# Altium PCB all_circuits.PcbDoc
Units mil, origin at the board's own origin, x right, y up, seen from the top; angles counter-clockwise.
Board outline 3915.03 x 3915.54 mil, 2 copper layers (Top Layer, Bottom Layer); 116 components, 30 nets, 260 pads, 0 vias.
Unrouted connection lines stored in the file: 2.
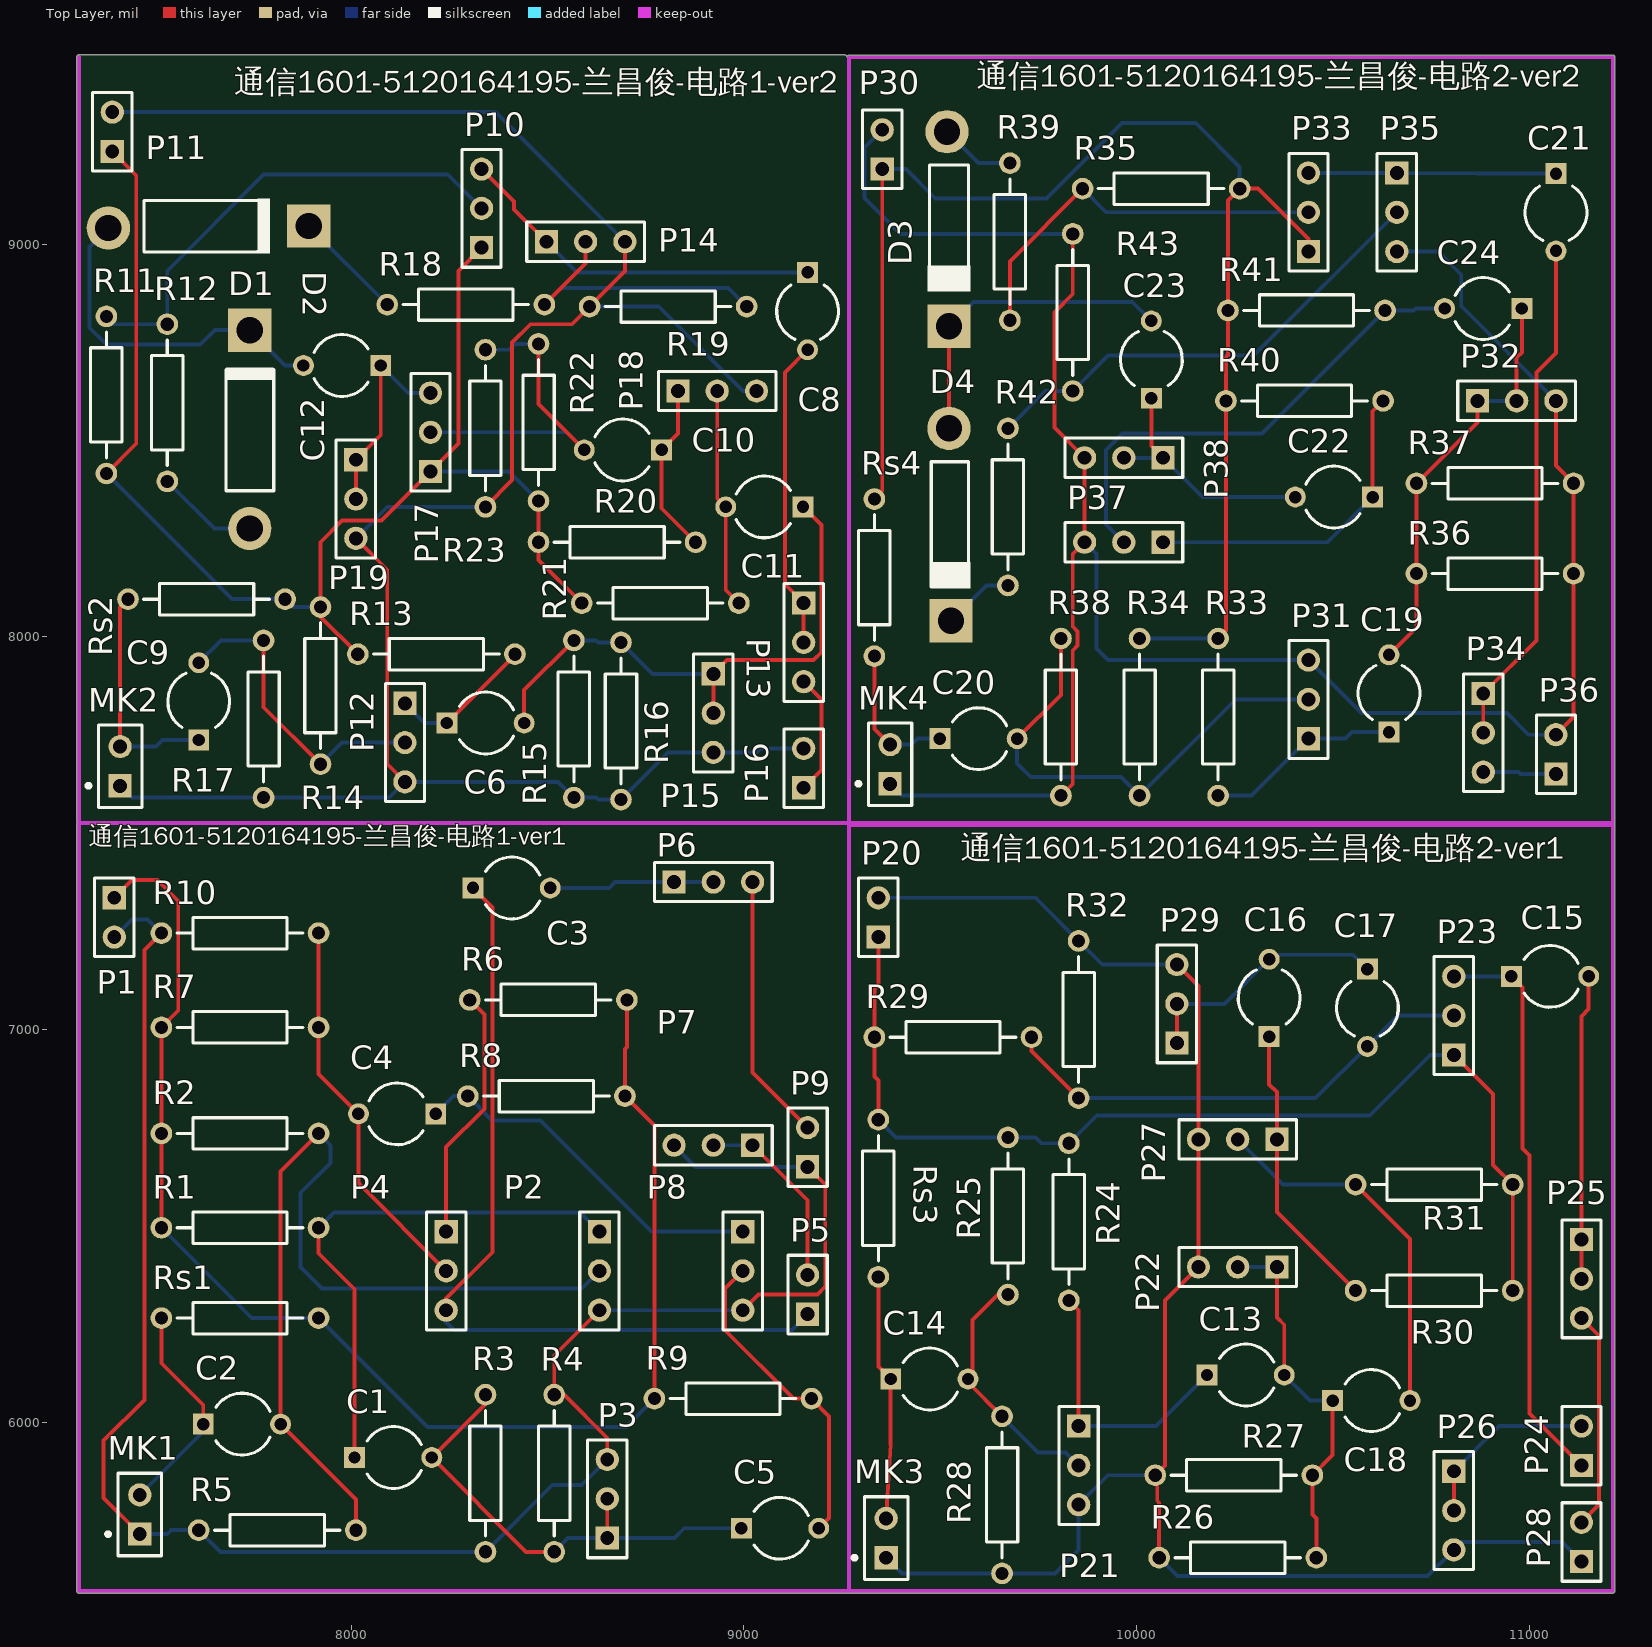
[diagram p0: Top Layer view]
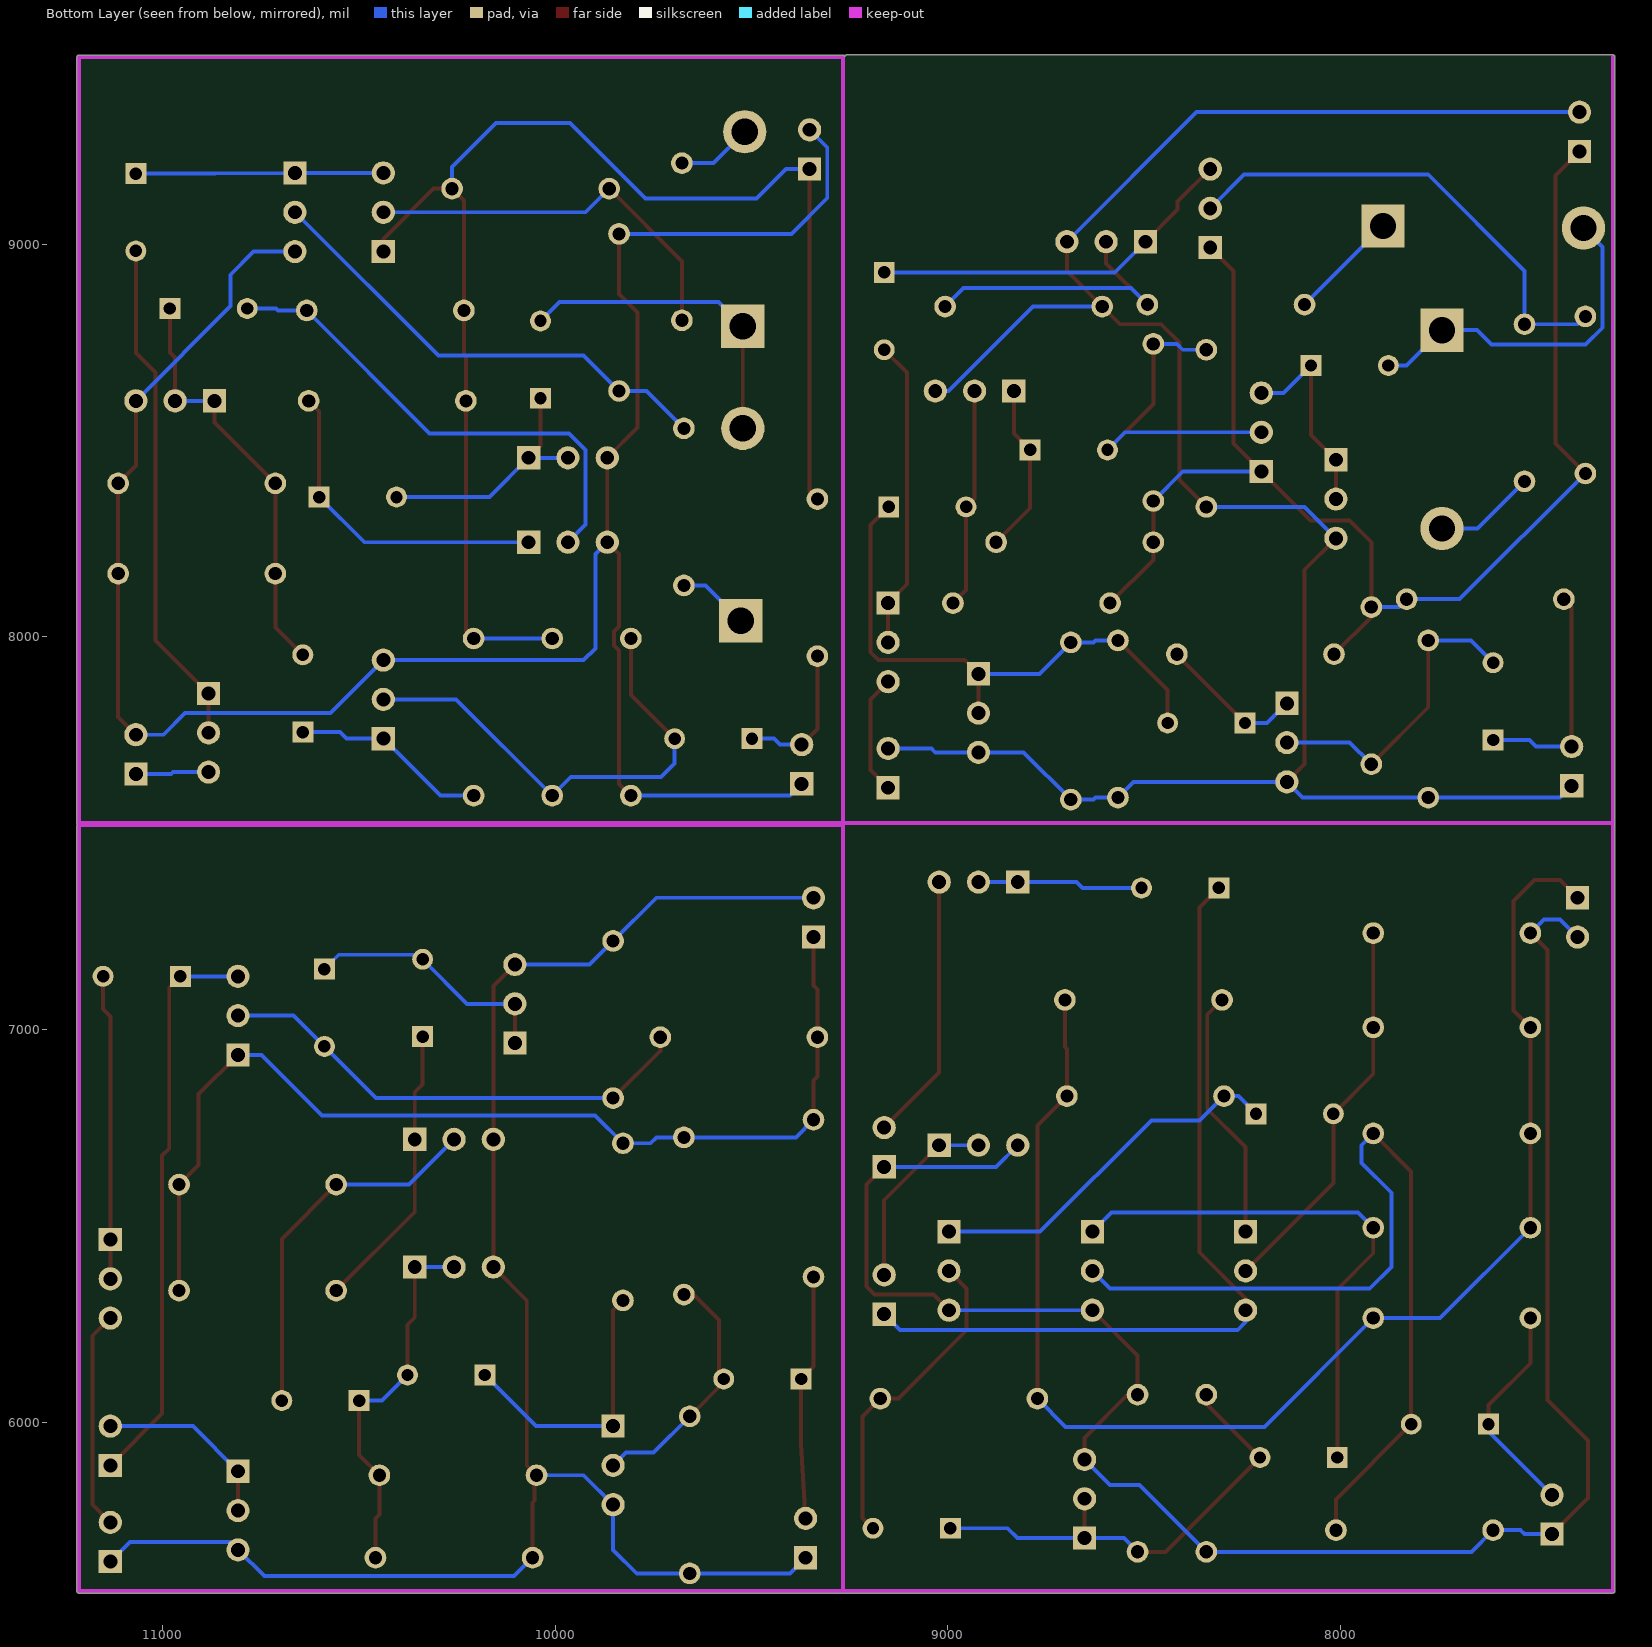
[diagram p1: Bottom Layer view, seen from below]

## Layer stack, top to bottom
Top Solder: solder mask 0.4, Solder Resist, Dk 3.5
Top Layer: signal copper 1.4
Dielectric 1: dielectric 12.6, FR-4, Dk 4.8
Bottom Layer: signal copper 1.4
Bottom Solder: solder mask 0.4, Solder Resist, Dk 3.5

## Board outline
7302.07,5570.87 7302.07,7525.87 cw(c7307.09,7525.87) 7302.74,7528.37 cw(c7307.09,7530.87) 7302.07,7530.87 7302.07,9476.38 cw(c7307.09,9476.38) 7307.09,9481.39 9257.09,9481.39 cw(c9257.09,9476.38) 9262.1,9476.41 cw(c9267.09,9475.87) 9267.09,9480.88 11212.09,9480.88 cw(c11212.09,9475.87) 11217.1,9475.87 11217.1,7525.87 cw(c11212.09,7525.87) 11216.43,7523.37 cw(c11212.09,7520.87) 11217.1,7520.87 11217.1,5570.87 cw(c11212.09,5570.87) 11212.09,5565.85 7307.09,5565.85 cw(c7307.09,5570.87)

## Design rules (kind name [scope] priority, off if disabled: settings)
Clearance [All] p1: gap=10 ignorepadtopadclearanceinfootprint=FALSE except(0: Arc-Hole Track-Hole SMDPad-Hole THPad-Hole Via-Hole Fill-Hole Poly-Hole Region-Hole Text-Hole)
PolygonConnect [All] p1: connectstyle=Relief reliefconductorwidth=10 reliefentries=4 polygonreliefangle="90 Angle" airgapwidth=10
RoomDefinition circuit2_ver2 [InComponentClass('circuit2_ver2')] p1: confinementstyle=ConfineIn formatcopy=TRUE lockcomponents=FALSE outline 9267.09,7525.87 11212.09,7525.87 11212.09,9475.87 9267.09,9475.87
RoomDefinition circuit2_ver1 [InComponentClass('circuit2_ver1')] p2: confinementstyle=ConfineIn formatcopy=TRUE lockcomponents=FALSE outline 9267.09,5570.87 11212.09,5570.87 11212.09,7525.87 9267.09,7525.87
RoomDefinition circuit1_ver2 [InComponentClass('circuit1_ver2')] p3: confinementstyle=ConfineIn formatcopy=TRUE lockcomponents=FALSE outline 7307.09,7525.87 9257.09,7525.87 9257.09,9465.87 7307.09,9465.87
RoomDefinition circuit1_ver1 [InComponentClass('circuit1_ver1')] p4: confinementstyle=ConfineIn formatcopy=TRUE lockcomponents=FALSE outline 7307.09,5570.87 9267.09,5570.87 9267.09,7525.87 7307.09,7525.87
RoutingVias [All] p1: holewidth=28 width=50 viastyle="Through Hole" minholewidth=28 minwidth=50 maxholewidth=28 maxwidth=50
SolderMaskExpansion [All] p1: expansion=4
Width [All] p1: maxlimit=10 minlimit=10 preferedwidth=10
30 further rules are at their usual default settings.

## Components (designator, comment, footprint, x,y, rotation, side; value= is the part's Value field where it differs from the comment)
C1 "Cap2" CAPR5-4X5 8107.09,5910.87 r0 top value=100pF
C2 "Cap2" CAPR5-4X5 7722.09,5995.87 r0 top value=100pF
C3 "Cap2" CAPR5-4X5 8408.66,7360.87 r0 top value=100pF
C4 "Cap2" CAPR5-4X5 8117.09,6785.87 r180 top value=100pF
C5 "Cap2" CAPR5-4X5 9092.09,5730.87 r0 top value=100pF
C6 "Cap2" CAPR5-4X5 8342.09,7780.87 r0 top value=100pF
C8 "Cap2" CAPR5-4X5 9162.09,8829.29 r270 top value=100pF
C9 "Cap2" CAPR5-4X5 7612.09,7835.87 r90 top value=100pF
C10 "Cap2" CAPR5-4X5 8692.09,8475.87 r180 top value=100pF
C11 "Cap2" CAPR5-4X5 9052.09,8330.87 r180 top value=100pF
C12 "Cap2" CAPR5-4X5 7977.09,8690.87 r180 top value=100pF
C13 "Cap2" CAPR5-4X5 10277.09,6120.87 r0 top value=100pF
C14 "Cap2" CAPR5-4X5 9472.09,6110.87 r0 top value=100pF
C15 "Cap2" CAPR5-4X5 11052.09,7135.87 r0 top value=100pF
C16 "Cap2" CAPR5-4X5 10337.09,7080.87 r90 top value=100pF
C17 "Cap2" CAPR5-4X5 10587.09,7055.87 r270 top value=100pF
C18 "Cap2" CAPR5-4X5 10597.09,6055.87 r0 top value=100pF
C19 "Cap2" CAPR5-4X5 10642.09,7855.87 r90 top value=100pF
C20 "Cap2" CAPR5-4X5 9597.09,7740.87 r0 top value=100pF
C21 "Cap2" CAPR5-4X5 11067.09,9080.87 r270 top value=100pF
C22 "Cap2" CAPR5-4X5 10502.09,8355.87 r180 top value=100pF
C23 "Cap2" CAPR5-4X5 10037.09,8705.87 r90 top value=100pF
C24 "Cap2" CAPR5-4X5 10882.09,8835.87 r180 top value=100pF
D1 "Diode 1N5408" DO-201AD#1 7752.09,8560.87 r90 top
D2 "Diode 1N5408" DO-201AD#2 7662.09,9000.87 r0 top
D3 "Diode 1N5408" DO-201AD#3 9507.09,9045.87 r270 top
D4 "Diode 1N5408" DO-201AD#4 9587.09,8315.87 r270 top
MK1 "Mic2" PIN2 7462.09,5715.87 r90 top
MK2 "Mic2" PIN2 7412.09,7620.87 r90 top
MK3 "Mic2" PIN2 9362.09,5655.87 r90 top
MK4 "Mic2" PIN2 9372.09,7625.87 r90 top
P1 "Header 2" HDR1X2 7397.09,7335.87 r270 top
P2 "NPN" HDR1X3 8632.09,6485.87 r270 top
P3 "Res_var" HDR1X3 8652.09,5705.87 r90 top
P4 "NPN" HDR1X3 8242.09,6485.87 r270 top
P5 "Transistor" HDR1X2 9162.09,6275.87 r90 top
P6 "Res_var" HDR1X3 8822.09,7375.87 r0 top
P7 "Res_var" HDR1X3 9022.09,6705.87 r180 top
P8 "NPN" HDR1X3 8997.09,6485.87 r270 top
P9 "speaker2" HDR1X2 9162.09,6650.87 r90 top
P10 "NPN" HDR1X3 8332.09,8990.87 r90 top
P11 "Header 2" HDR1X2 7392.09,9235.87 r90 top
P12 "NPN" HDR1X3 8137.09,7830.87 r270 top
P13 "Res_var" HDR1X3 9152.09,8085.87 r270 top
P14 "PNP" HDR1X3 8497.09,9005.87 r0 top
P15 "Res_var" HDR1X3 8922.09,7905.87 r270 top
P16 "Speaker" HDR1X2 9152.09,7615.87 r90 top
P17 "NPN" HDR1X3 8202.09,8420.87 r90 top
P18 "NPN" HDR1X3 8832.09,8625.87 r0 top
P19 "Res_var" HDR1X3 8012.09,8450.87 r270 top
P20 "Header 2" HDR1X2 9342.09,7235.87 r90 top
P21 "NPN" HDR1X3 9852.09,5990.87 r270 top
P22 "Res_var" HDR1X3 10357.09,6395.87 r180 top
P23 "NPN" HDR1X3 10807.09,6935.87 r90 top
P24 "Transistor" HDR1X2 11132.09,5890.87 r90 top
P25 "Res_var" HDR1X3 11132.09,6465.87 r270 top
P26 "Res_var" HDR1X3 10807.09,5875.87 r270 top
P27 "NPN" HDR1X3 10357.09,6720.87 r180 top
P28 "speaker2" HDR1X2 11132.09,5645.87 r90 top
P29 "Res_var" HDR1X3 10102.09,6965.87 r90 top
P30 "Header 2" HDR1X2 9352.09,9190.87 r90 top
P31 "NPN" HDR1X3 10437.09,7740.87 r90 top
P32 "Res_var" HDR1X3 10867.09,8600.87 r0 top
P33 "NPN" HDR1X3 10437.09,8980.87 r90 top
P34 "Res_var" HDR1X3 10882.09,7855.87 r270 top
P35 "PNP" HDR1X3 10662.09,9180.87 r270 top
P36 "Speaker" HDR1X2 11067.09,7650.87 r90 top
P37 "NPN" HDR1X3 10067.09,8240.87 r180 top
P38 "Res_var" HDR1X3 10067.09,8455.87 r180 top
R1 "Res2" AXIAL-0.4 7717.09,6495.87 r180 top value=1K
R2 "Res2" AXIAL-0.4 7717.09,6735.87 r180 top value=1K
R3 "Res2" AXIAL-0.4 8342.09,5870.87 r90 top value=1K
R4 "Res2" AXIAL-0.4 8517.09,5870.87 r270 top value=1K
R5 "Res2" AXIAL-0.4 7812.09,5725.87 r0 top value=1K
R6 "Res2" AXIAL-0.4 8502.09,7075.87 r0 top value=1K
R7 "Res2" AXIAL-0.4 7717.09,7005.87 r180 top value=1K
R8 "Res2" AXIAL-0.4 8497.09,6830.87 r0 top value=1K
R9 "Res2" AXIAL-0.4 8972.09,6060.87 r180 top value=1K
R10 "Res2" AXIAL-0.4 7717.09,7245.87 r0 top value=1K
R11 "Res2" AXIAL-0.4 7377.09,8615.87 r90 top value=1K
R12 "Res2" AXIAL-0.4 7532.09,8595.87 r90 top value=1K
R13 "Res2" AXIAL-0.4 8217.09,7955.87 r180 top value=1K
R14 "Res2" AXIAL-0.4 7922.09,7875.87 r90 top value=1K
R15 "Res2" AXIAL-0.4 8567.09,7790.87 r90 top value=1K
R16 "Res2" AXIAL-0.4 8687.09,7785.87 r90 top value=1K
R17 "Res2" AXIAL-0.4 7777.09,7790.87 r90 top value=1K
R18 "Res2" AXIAL-0.4 8292.09,8845.87 r180 top value=1K
R19 "Res2" AXIAL-0.4 8807.09,8840.87 r0 top value=1K
R20 "Res2" AXIAL-0.4 8677.09,8240.87 r180 top value=1K
R21 "Res2" AXIAL-0.4 8787.09,8085.87 r180 top value=1K
R22 "Res2" AXIAL-0.4 8477.09,8545.87 r270 top value=1K
R23 "Res2" AXIAL-0.4 8342.09,8530.87 r90 top value=1K
R24 "Res2" AXIAL-0.4 9827.09,6510.87 r90 top value=1K
R25 "Res2" AXIAL-0.4 9672.09,6525.87 r90 top value=1K
R26 "Res2" AXIAL-0.4 10257.09,5655.87 r0 top value=1K
R27 "Res2" AXIAL-0.4 10247.09,5865.87 r0 top value=1K
R28 "Res2" AXIAL-0.4 9657.09,5815.87 r90 top value=1K
R29 "Res2" AXIAL-0.4 9532.09,6980.87 r180 top value=1K
R30 "Res2" AXIAL-0.4 10757.09,6335.87 r0 top value=1K
R31 "Res2" AXIAL-0.4 10757.09,6605.87 r0 top value=1K
R32 "Res2" AXIAL-0.4 9852.09,7025.87 r270 top value=1K
R33 "Res2" AXIAL-0.4 10207.09,7795.87 r90 top value=1K
R34 "Res2" AXIAL-0.4 10007.09,7795.87 r90 top value=1K
R35 "Res2" AXIAL-0.4 10062.09,9140.87 r180 top value=1K
R36 "Res2" AXIAL-0.4 10912.09,8160.87 r180 top value=1K
R37 "Res2" AXIAL-0.4 10912.09,8390.87 r180 top value=1K
R38 "Res2" AXIAL-0.4 9807.09,7795.87 r90 top value=1K
R39 "Res2" AXIAL-0.4 9677.09,9005.87 r270 top value=1K
R40 "Res2" AXIAL-0.4 10427.09,8600.87 r180 top value=1K
R41 "Res2" AXIAL-0.4 10432.09,8830.87 r180 top value=1K
R42 "Res2" AXIAL-0.4 9672.09,8330.87 r270 top value=1K
R43 "Res2" AXIAL-0.4 9837.09,8825.87 r270 top value=1K
Rs1 "Res2" AXIAL-0.4 7717.09,6265.87 r0 top value=1K
Rs2 "Res2" AXIAL-0.4 7632.09,8095.87 r0 top value=1K
Rs3 "Res2" AXIAL-0.4 9342.09,6570.87 r90 top value=1K
Rs4 "Res2" AXIAL-0.4 9332.09,8150.87 r90 top value=1K

## Footprints (in the part's own frame and the unit in brackets; to place one, negate y for a bottom-side part, rotate by r counter-clockwise, add the part's x,y. Pads: shape width x height; smd on the part's side, far side on the other; paste and mask are expansions set on the pad)
AXIAL-0.4 [mm] "Axial Device, Thru-Hole; 2 Leads; 0.4 in Pin Spacing"
  round 1.4 hole 0.85: 1(-5.08,0) 2(5.08,0)
  silkscreen extent -4.06,-1.02 4.06,1.02
CAPR5-4X5 [mm] "Capacitor; 2 Leads"
  rect 1.35x1.35 hole 0.8: 1(-2.5,0)
  round 1.35 hole 0.8: 2(2.5,0)
  silkscreen extent -1.69,-2 1.82,2
DO-201AD#1 [mm] "Diode, Axial; Body 9.5 x 5.6 mm (LxDia. max), Lead Dia. 1.32 mm (max)"
  round 2.8 hole 1.7: 1(-7.239,0.254)
  rect 2.8x2.8 hole 1.7: 2(5.588,0.254)
  silkscreen extent -4.8,-1.3 3.17,1.8
DO-201AD#2 [mm] "Diode, Axial; Body 9.5 x 5.6 mm (LxDia. max), Lead Dia. 1.32 mm (max)"
  round 2.8 hole 1.7: 1(-7.112,1.016)
  rect 2.8x2.8 hole 1.7: 2(5.842,1.143)
  silkscreen extent -4.8,-0.64 3.34,2.92
DO-201AD#3 [mm] "Diode, Axial; Body 9.5 x 5.6 mm (LxDia. max), Lead Dia. 1.32 mm (max)"
  round 2.8 hole 1.7: 1(-6.096,0.254)
  rect 2.8x2.8 hole 1.7: 2(6.477,0.381)
  silkscreen extent -3.94,-1.02 4.23,1.78
DO-201AD#4 [mm] "Diode, Axial; Body 9.5 x 5.6 mm (LxDia. max), Lead Dia. 1.32 mm (max)"
  round 2.8 hole 1.7: 1(-5.461,-1.651)
  rect 2.8x2.8 hole 1.7: 2(6.985,-1.524)
  silkscreen extent -3.3,-2.8 4.9,-0.25
HDR1X2 [mm] "Connector; Header; 2 Position"
  rect 1.5x1.5 hole 0.9: 1(0,0)
  round 1.5 hole 0.9: 2(2.54,0)
  silkscreen extent -1.27,-1.27 3.81,1.27
HDR1X3 [mm] "Connector; Header; 3 Position"
  rect 1.5x1.5 hole 0.9: 1(0,0)
  round 1.5 hole 0.9: 2(2.54,0) 3(5.08,0)
  silkscreen extent -1.27,-1.27 6.35,1.27
PIN2 [mm] "Photosensitive Diode; 2 Leads"
  rect 1.5x1.5 hole 0.9: 1(0,0)
  round 1.5 hole 0.9: 2(2.54,0)
  silkscreen extent -1.4,-1.4 3.94,2.17

## Part data
C1 C2 C3 C4 C5 C6 C8 C9 C10 C11 C12 C13 C14 C15 C16 C17 C18 C19 C20 C21 C22 C23 C24: "Capacitor", PackageDescription="Capacitor; 2 Leads", PackageReference=CAPR5-4X5, Published=23-Sep-2002, Publisher="Altium Limited"
D1 D2 D3 D4: "3 Amp Medium Power Silicon Rectifier Diode", ComponentLink1Description="Manufacturer Link", ComponentLink1URL=http://www.irf.com/, DatasheetVersion=Aug-1984, LatestRevisionDate=17-Jul-2002, LatestRevisionNote="Re-released for DXP Platform.", PackageDescription="Diode, Axial; Body 9.5 x 5.3 mm (LxDia. max), Lead Dia. 1.32 mm (max)", PackageReference=DO-201AD, Published=8-Jun-2000, Publisher="Altium Limited"
MK1 MK2 MK3 MK4: "Microphone", LatestRevisionDate=17-Jul-2002, LatestRevisionNote="Re-released for DXP Platform.", PackageReference=PIN2, Published=24-Mar-1999, Publisher="Altium Limited"
P1 P11 P20 P30: "Header, 2-Pin", LatestRevisionDate=17-Jul-2002, LatestRevisionNote="Re-released for DXP Platform.", Publisher="Altium Limited"
P2 P3 P4 P6 P7 P8 P10 P12 P13 P14 P15 P17 P18 P19 P21 P22 P23 P25 P26 P27 P29 P31 P32 P33 P34 P35 P37 P38: library part "Header 3", "Header, 3-Pin", LatestRevisionDate=17-Jul-2002, LatestRevisionNote="Re-released for DXP Platform.", Publisher="Altium Limited"
P5 P9 P16 P24 P28 P36: library part "Header 2", "Header, 2-Pin", LatestRevisionDate=17-Jul-2002, LatestRevisionNote="Re-released for DXP Platform.", Publisher="Altium Limited"
R1 R2 R3 R4 R5 R6 R7 R8 R9 R10 R11 R12 R13 R14 R15 R16 R17 R18 R19 R20 R21 R22 R23 R24 R25 R26 R27 R28 R29 R30 R31 R32 R33 R34 R35 R36 R37 R38 R39 R40 R41 R42 R43 Rs1 Rs2 Rs3 Rs4: "Resistor", LatestRevisionDate=17-Jul-2002, LatestRevisionNote="Re-released for DXP Platform.", PackageDescription="Axial Device, Thru-Hole; 2 Leads; 0.4 in Pin Spacing", PackageReference=AXIAL-0.4, Published=8-Jun-2000, Publisher="Altium Limited"

## Nets (pads, with @x,y where several pads share a name; then routed paths per layer and width w, separated by ;. In a path a pad name is that pad's centre, name@x,y a point inside that pad or via, vN(x,y) a via of type N, cw(c..) or ccw(c..) an arc to the next point about the centre after c; other vN are vias at no path point)
GND: MK1.1 MK2.1 P1.2 P2.3 P3.3 P7.3 P8.3 P9.1 P11.2 P12.3 P14.3 P15.3 P16.2 P18.3 P19.3 R3.1 R4.1 R5.1 R10.1 R15.1 R16.1 R17.1 R19.1 R23.1 | length 10596.6
  Top Layer w10: MK1.1 7370.09,5807.87 7370.09,5953.87 7474.09,6057.87 7474.09,7202.87 R10.1 ; P19.3 8092.09,8170.87 8092.09,7675.87 P12.3 ; R23.1 8410.09,8398.87 8410.09,8748.87 8457.09,8795.87 8562.09,8795.87 R19.1 8697.09,8930.87 P14.3 ; P2.3 8517.09,6170.87 R4.1 8542.09,6070.87 8652.09,5960.87 P3.3 ; P8.3 9037.09,6325.87 9187.09,6325.87 9207.09,6345.87 9207.09,6605.87 P9.1
  Bottom Layer w10: P11.2 8367.09,9335.87 P14.3 ; P1.2 7442.09,7280.87 7482.09,7280.87 R10.1 ; MK2.1 7442.09,7590.87 R17.1 8097.09,7590.87 P12.3 8527.09,7630.87 R15.1 8624.09,7590.87 8629.09,7585.87 R16.1 8807.09,7705.87 P15.3 9032.09,7705.87 9042.09,7715.87 P16.2 ; MK1.1 7532.09,5715.87 7542.09,5725.87 R5.1 7667.09,5670.87 R3.1 8512.09,5840.87 8587.09,5840.87 P3.3 ; P19.3 8092.09,8330.87 R23.1 ; R19.1 8783.09,8840.87 8998.09,8625.87 P18.3 ; P2.3 P8.3 ; P7.3 8877.09,6650.87 P9.1
mic1_input: C9.1 MK2.2 Rs2.1 | length 590.1
  Top Layer w10: MK2.2 7412.09,8075.87 Rs2.1
  Bottom Layer w10: MK2.2 7503.09,7720.87 7519.66,7737.44 C9.1
mic_input: C2.1 MK1.2 Rs1.1 | length 561.1
  Top Layer w10: Rs1.1 7517.09,6150.87 7623.66,6044.29 C2.1
  Bottom Layer w10: MK1.2 7623.66,5977.44 C2.1
mid1_out0: C12.2 D1.2 D2.1 | length 888.9
  Bottom Layer w10: D2.1 7334.09,8992.87 7334.09,8786.87 7377.09,8743.87 7616.09,8743.87 7653.09,8780.87 D1.2 7832.09,8690.87 C12.2
mid1_out1: P1.1 P10.1 P11.1 P17.1 R1.2 R2.2 R6.2 R7.2 R8.2 R9.2 R11.1 R13.2 R14.2 R20.2 R21.2 R22.2 Rs1.2 Rs2.2 | length 7073.3
  Top Layer w10: R11.1 7453.09,8491.87 7453.09,9174.87 P11.1 ; P1.1 7442.09,7380.87 7507.09,7380.87 7560.09,7327.87 7560.09,7048.87 R7.2 R2.2 R1.2 ; R13.2 7922.09,8050.87 R14.2 7922.09,8240.87 7977.09,8295.87 8077.09,8295.87 P17.1 8273.09,8491.87 8273.09,8931.87 P10.1 ; R22.2 R20.2 8477.09,8195.87 R21.2 ; R6.2 8702.09,6955.87 8697.09,6950.87 R8.2 8772.09,6755.87 R9.2
  Bottom Layer w10: R11.1 7697.09,8095.87 Rs2.2 7852.09,8075.87 R14.2 ; R1.2 7747.09,6265.87 Rs1.2 8194.09,5988.87 8700.09,5988.87 R9.2 ; P17.1 8402.09,8420.87 R22.2
mid1_out2: C10.2 P17.2 R22.1 R23.2 | length 869.7
  Top Layer w10: R22.1 8477.09,8592.44 C10.2
  Bottom Layer w10: P17.2 8548.66,8520.87 C10.2 ; R23.2 8402.09,8730.87 8417.09,8745.87 R22.1
mid_out2: C4.2 P4.2 R7.1 R10.2 | length 994.6
  Top Layer w10: R10.2 R7.1 7917.09,6887.44 C4.2 8018.66,6609.29 P4.2
NetC1_1: C1.1 P2.1 R1.1 | length 1374.4
  Top Layer w10: R1.1 7917.09,6430.87 8008.66,6339.29 C1.1
  Bottom Layer w10: R1.1 7956.09,6534.87 8583.09,6534.87 P2.1
NetC2_2: C2.2 P2.2 R2.1 R5.2 | length 2315.7
  Top Layer w10: R2.1 7820.51,6639.29 C2.2 8012.09,5804.29 R5.2
  Bottom Layer w10: R2.1 7947.09,6705.87 7947.09,6660.87 7871.09,6584.87 7871.09,6395.87 7926.09,6340.87 8587.09,6340.87 P2.2
NetC3_1: C3.1 P4.3 P5.1 | length 2119
  Top Layer w10: P4.3 8242.09,6315.87 8359.65,6433.43 8359.65,7311.45 C3.1
  Bottom Layer w10: P4.3 8242.09,6255.87 8262.09,6235.87 9122.09,6235.87 P5.1
NetC3_2: C3.2 P6.1 P6.2 | length 421.2
  Bottom Layer w10: C3.2 8657.09,7360.87 8672.09,7375.87 P6.1 P6.2
NetC4_1: C4.1 P8.1 R8.1 | length 943.1
  Bottom Layer w10: C4.1 8260.51,6830.87 R8.1 8359.09,6768.87 8482.09,6768.87 8765.09,6485.87 P8.1
NetC5_2: C5.2 P8.2 R9.1 | length 821.4
  Top Layer w10: P8.2 8952.09,6340.87 8952.09,6234.87 9126.09,6060.87 R9.1 9217.09,6015.87 9217.09,5757.44 C5.2
NetC6_1: C6.1 P12.1 R13.1 | length 374.1
  Top Layer w10: C6.1 8417.09,7954.29 R13.1
  Bottom Layer w10: P12.1 8187.09,7780.87 C6.1
NetC8_1: C8.1 P10.3 P14.1 | length 950.7
  Top Layer w10: P10.3 8415.09,9107.87 8415.09,9087.87 P14.1
  Bottom Layer w10: P14.1 8575.24,8927.72 C8.1
NetC8_2: C8.2 P13.1 P13.2 | length 788.9
  Top Layer w10: P13.2 P13.1 9104.09,8133.87 9104.09,8672.87 C8.2
NetC9_2: C9.2 P12.2 R14.1 R17.2 | length 801.3
  Top Layer w10: R17.2 7777.09,7820.87 R14.1
  Bottom Layer w10: C9.2 7668.66,7990.87 R17.2 ; R14.1 7977.09,7730.87 P12.2
NetC10_1: C10.1 P18.1 R20.1 | length 438.1
  Top Layer w10: P18.1 8832.09,8517.44 C10.1 8790.51,8327.44 R20.1
NetC11_2: C11.2 P18.2 R21.1 | length 562.8
  Top Layer w10: P18.2 8932.09,8352.44 C11.2 8953.66,8119.29 R21.1
NetC12_1: C12.1 P17.3 P19.1 P19.2 | length 521.8
  Top Layer w10: P19.2 P19.1 8075.51,8514.29 C12.1
  Bottom Layer w10: C12.1 8145.51,8620.87 P17.3
NetD1_1: D1.1 R12.1 | length 259.7
  Bottom Layer w10: R12.1 7652.09,8275.87 D1.1
NetD2_2: D2.2 R18.2 | length 282.8
  Bottom Layer w10: D2.2 R18.2
NetP4_1: P4.1 R6.1 | length 646
  Top Layer w10: P4.1 8242.09,6700.87 8339.65,6798.43 8339.65,7038.31 R6.1
NetP5_2: P5.2 P7.1 P7.2 | length 488
  Top Layer w10: P7.1 9162.09,6565.87 P5.2
  Bottom Layer w10: P7.2 P7.1
NetP6_3: P6.3 P9.2 | length 683
  Top Layer w10: P6.3 9022.09,6890.87 P9.2
NetP10_2: P10.2 R11.2 R12.2 | length 1236.4
  Bottom Layer w10: R11.2 7397.09,8795.87 R12.2 7532.09,8931.87 7777.09,9176.87 8246.09,9176.87 P10.2
NetP13_3: P13.3 P16.1 | length 307.3
  Top Layer w10: P16.1 9197.09,7660.87 9197.09,7840.87 P13.3
NetP14_2: P14.2 R18.1 R19.2 | length 755.4
  Top Layer w10: R18.1 8597.09,8950.87 P14.2
  Bottom Layer w10: R18.1 8534.09,8887.87 8960.09,8887.87 R19.2
reverse1_out: C6.2 C11.1 P15.1 P15.2 R15.2 R16.2 | length 1439.7
  Top Layer w10: C6.2 8440.51,7864.29 R15.2 ; P15.2 P15.1 8957.09,7940.87 9177.09,7940.87 9197.09,7960.87 9197.09,8284.29 C11.1
  Bottom Layer w10: R15.2 8624.09,7990.87 8629.09,7985.87 R16.2 8767.09,7905.87 P15.1
reverse_out: C1.2 C5.1 P3.1 P3.2 R3.2 R4.2 | length 1229
  Top Layer w10: R3.2 8342.09,6047.44 C1.2 8445.51,5670.87 R4.2 ; P3.1 P3.2
  Bottom Layer w10: R4.2 8552.09,5705.87 P3.1 8823.09,5705.87 8848.09,5730.87 C5.1
pads on no net: C13.1 C13.2 C14.1 C14.2 C15.1 C15.2 C16.1 C16.2 C17.1 C17.2 C18.1 C18.2 C19.1 C19.2 C20.1 C20.2 C21.1 C21.2 C22.1 C22.2 C23.1 C23.2 C24.1 C24.2 D3.1 D3.2 D4.1 D4.2 MK3.1 MK3.2 MK4.1 MK4.2 P20.1 P20.2 P21.1 P21.2 P21.3 P22.1 P22.2 P22.3 P23.1 P23.2 P23.3 P24.1 P24.2 P25.1 P25.2 P25.3 P26.1 P26.2 P26.3 P27.1 P27.2 P27.3 P28.1 P28.2 P29.1 P29.2 P29.3 P30.1 P30.2 P31.1 P31.2 P31.3 P32.1 P32.2 P32.3 P33.1 P33.2 P33.3 P34.1 P34.2 P34.3 P35.1 P35.2 P35.3 P36.1 P36.2 P37.1 P37.2 P37.3 P38.1 P38.2 P38.3 R24.1 R24.2 R25.1 R25.2 R26.1 R26.2 R27.1 R27.2 R28.1 R28.2 R29.1 R29.2 R30.1 R30.2 R31.1 R31.2 R32.1 R32.2 R33.1 R33.2 R34.1 R34.2 R35.1 R35.2 R36.1 R36.2 R37.1 R37.2 R38.1 R38.2 R39.1 R39.2 R40.1 R40.2 R41.1 R41.2 R42.1 R42.2 R43.1 R43.2 Rs3.1 Rs3.2 Rs4.1 Rs4.2
copper on no net: | length 37816
  Top Layer w10: 9332.09,7950.87 9332.09,7765.87 9372.09,7725.87 ; 9332.09,8350.87 9352.09,8370.87 9352.09,9190.87 ; 9342.09,6370.87 9342.09,6142.44 9373.66,6110.87 9373.66,5944.44 9362.09,5755.87 ; 9342.09,6770.87 9342.09,6870.87 9332.09,6880.87 9332.09,6980.87 9332.09,7102.87 9342.09,7112.87 9342.09,7235.87 ; 9522.09,8530.87 9522.09,8790.87 ; 9657.09,6015.87 9570.51,6102.44 9570.51,6110.87 9582.09,6122.44 9582.09,6260.87 9647.09,6325.87 9672.09,6325.87 ; 9677.09,8805.87 9677.09,8955.87 9862.09,9140.87 ; 9695.51,7740.87 9807.09,7852.44 9807.09,7995.87 ; 9732.09,6980.87 9732.09,6945.87 9852.09,6825.87 ; 9807.09,7595.87 9837.09,7625.87 9837.09,7965.68 9849.65,7978.24 9849.65,8013.49 9837.09,8026.05 9837.09,8210.87 9867.09,8240.87 9867.09,8455.87 9790.09,8532.87 9790.09,8825.87 9837.09,8872.87 9837.09,9025.87 ; 9827.09,6310.87 9852.09,6285.87 9852.09,5990.87 ; 10037.09,8607.44 10037.09,8485.87 10067.09,8455.87 ; 10057.09,5655.87 10057.09,5795.87 10052.09,5800.87 10052.09,5860.87 10047.09,5865.87 10072.09,5890.87 10072.09,6310.87 10157.09,6395.87 10157.09,6720.87 10157.09,7110.87 10102.09,7165.87 ; 10102.09,6965.87 10102.09,7065.87 ; 10207.09,7995.87 10227.09,8015.87 10227.09,8600.87 10227.09,8712.87 10232.09,8717.87 10232.09,8830.87 10232.09,9110.87 10262.09,9140.87 10309.09,9140.87 10437.09,9012.87 10437.09,8980.87 ; 10337.09,6982.44 10337.09,6860.87 10357.09,6840.87 10357.09,6720.87 10357.09,6535.87 10557.09,6335.87 ; 10357.09,6395.87 10357.09,6267.29 10375.51,6248.87 10375.51,6120.87 ; 10457.09,5655.87 10457.09,5755.87 10447.09,5765.87 10447.09,5865.87 10498.66,5917.44 10498.66,6055.87 ; 10557.09,6605.87 10695.51,6467.44 10695.51,6055.87 ; 10600.51,8355.87 10600.51,8574.29 10627.09,8600.87 ; 10642.09,7954.29 10712.09,8024.29 10712.09,8160.87 10712.09,8390.87 10867.09,8545.87 10867.09,8600.87 ; 10807.09,5775.87 10807.09,5875.87 ; 10807.09,6935.87 10907.09,6835.87 10907.09,6655.87 10957.09,6605.87 10957.09,6335.87 ; 10882.09,7755.87 10882.09,7855.87 11017.09,7990.87 11017.09,8672.87 11067.09,8722.87 11067.09,8982.44 ; 10953.66,7135.87 10982.09,7107.44 10982.09,6697.44 11000.09,6679.44 11000.09,6022.87 11132.09,5890.87 ; 10967.09,8600.87 10967.09,8710.87 10980.51,8724.29 10980.51,8835.87 ; 11067.09,7750.87 11112.09,7795.87 11112.09,8160.87 11112.09,8390.87 11067.09,8435.87 11067.09,8600.87 ; 11132.09,5745.87 11177.09,5790.87 11177.09,6220.87 11132.09,6265.87 ; 11132.09,6365.87 11132.09,6465.87 11132.09,7034.01 11150.51,7052.44 11150.51,7135.87
  Bottom Layer w10: 9342.09,6770.87 9387.09,6725.87 9672.09,6725.87 9742.09,6725.87 9757.09,6710.87 9827.09,6710.87 9898.09,6781.87 10593.09,6781.87 10747.09,6935.87 10807.09,6935.87 ; 9342.09,7335.87 9742.09,7335.87 9852.09,7225.87 9912.09,7165.87 10102.09,7165.87 ; 9352.09,9190.87 9412.09,9190.87 9487.09,9115.87 9770.09,9115.87 9962.09,9307.87 10150.09,9307.87 10262.09,9195.87 10262.09,9140.87 ; 9352.09,9290.87 9307.09,9245.87 9307.09,9116.87 9398.09,9025.87 9837.09,9025.87 ; 9362.09,5655.87 9402.09,5615.87 9657.09,5615.87 9792.09,5615.87 9852.09,5675.87 9852.09,5790.87 9927.09,5865.87 10047.09,5865.87 ; 9372.09,7625.87 9402.09,7595.87 9807.09,7595.87 ; 9372.09,7725.87 9427.09,7725.87 9442.09,7740.87 9498.66,7740.87 ; 9517.09,9285.87 9597.09,9205.87 9677.09,9205.87 ; 9522.09,8790.87 9584.09,8852.87 9988.51,8852.87 10037.09,8804.29 ; 9527.09,8040.87 9617.09,8130.87 9672.09,8130.87 ; 9657.09,6015.87 9749.09,5923.87 9819.09,5923.87 9852.09,5890.87 ; 9672.09,8530.87 9767.09,8625.87 9837.09,8625.87 9927.09,8715.87 10297.09,8715.87 10662.09,9080.87 ; 9695.51,7740.87 9695.51,7677.44 9730.09,7642.87 9960.09,7642.87 10007.09,7595.87 10252.09,7840.87 10437.09,7840.87 ; 9852.09,5990.87 10048.66,5990.87 10178.66,6120.87 ; 9852.09,6825.87 10455.51,6825.87 10587.09,6957.44 10665.51,7035.87 10807.09,7035.87 ; 9862.09,9140.87 9922.09,9080.87 10437.09,9080.87 ; 9867.09,8240.87 9897.09,8210.87 9897.09,7970.87 9927.09,7940.87 10437.09,7940.87 10572.09,7805.87 10942.09,7805.87 10997.09,7750.87 11067.09,7750.87 ; 9967.09,8240.87 9922.09,8285.87 9922.09,8475.87 9964.09,8517.87 10319.09,8517.87 10632.09,8830.87 10705.09,8830.87 10710.09,8835.87 10783.66,8835.87 ; 9967.09,8455.87 10067.09,8455.87 10167.09,8355.87 10403.66,8355.87 ; 10007.09,7995.87 10207.09,7995.87 ; 10057.09,5655.87 10104.09,5608.87 10740.09,5608.87 10807.09,5675.87 10827.09,5695.87 11082.09,5695.87 11132.09,5645.87 ; 10067.09,8240.87 10485.51,8240.87 10600.51,8355.87 ; 10102.09,7065.87 10223.66,7065.87 10337.09,7179.29 10348.66,7190.87 10550.51,7190.87 10587.09,7154.29 ; 10207.09,7595.87 10292.09,7595.87 10437.09,7740.87 10531.09,7740.87 10547.66,7757.44 10642.09,7757.44 ; 10257.09,6395.87 10357.09,6395.87 ; 10257.09,6720.87 10372.09,6605.87 10557.09,6605.87 ; 10375.51,6120.87 10440.51,6055.87 10498.66,6055.87 ; 10437.09,9180.87 10662.09,9180.87 10865.66,9179.29 11067.09,9179.29 ; 10662.09,8980.87 10767.09,8980.87 10826.09,8921.87 10826.09,8841.87 11067.09,8600.87 ; 10807.09,5875.87 10922.09,5990.87 11132.09,5990.87 ; 10807.09,7135.87 10953.66,7135.87 ; 10867.09,8600.87 10967.09,8600.87 ; 10882.09,7655.87 10972.09,7655.87 10977.09,7650.87 11067.09,7650.87

## Keep-outs
Keep-Out Layer:
  lines w10: 7307.09,7530.87 7307.09,9476.38 ; 9267.09,5570.87 11212.09,5570.87 11212.09,7520.87 9267.09,7520.87 9267.09,5570.87 ; 9267.09,5570.87 9267.09,7525.87 ; 9267.09,5570.87 7307.09,5570.87 7307.09,7525.87 9267.09,7525.87 ; 9267.09,7525.87 9267.09,9475.87 11212.09,9475.87 11212.09,7525.87 9267.09,7525.87

## Silkscreen, mask and mechanical layers (free items; w line width, h text height)
Top Overlay:
  text "通信1601-5120164195-兰昌俊-电路2-ver2" at 9592.09,9380.87 h100
  text "通信1601-5120164195-兰昌俊-电路1-ver2" at 7702.09,9365.87 h100
  text "通信1601-5120164195-兰昌俊-电路1-ver1" at 7332.09,7455.87 h80
  text "通信1601-5120164195-兰昌俊-电路2-ver1" at 9552.09,7415.87 h100
Mechanical 1:
  lines w10: 7307.09,7530.87 9257.09,7530.87 9257.09,9476.38 7307.09,9476.38